# KiCad board UFC_Main.kicad_pcb (continued)
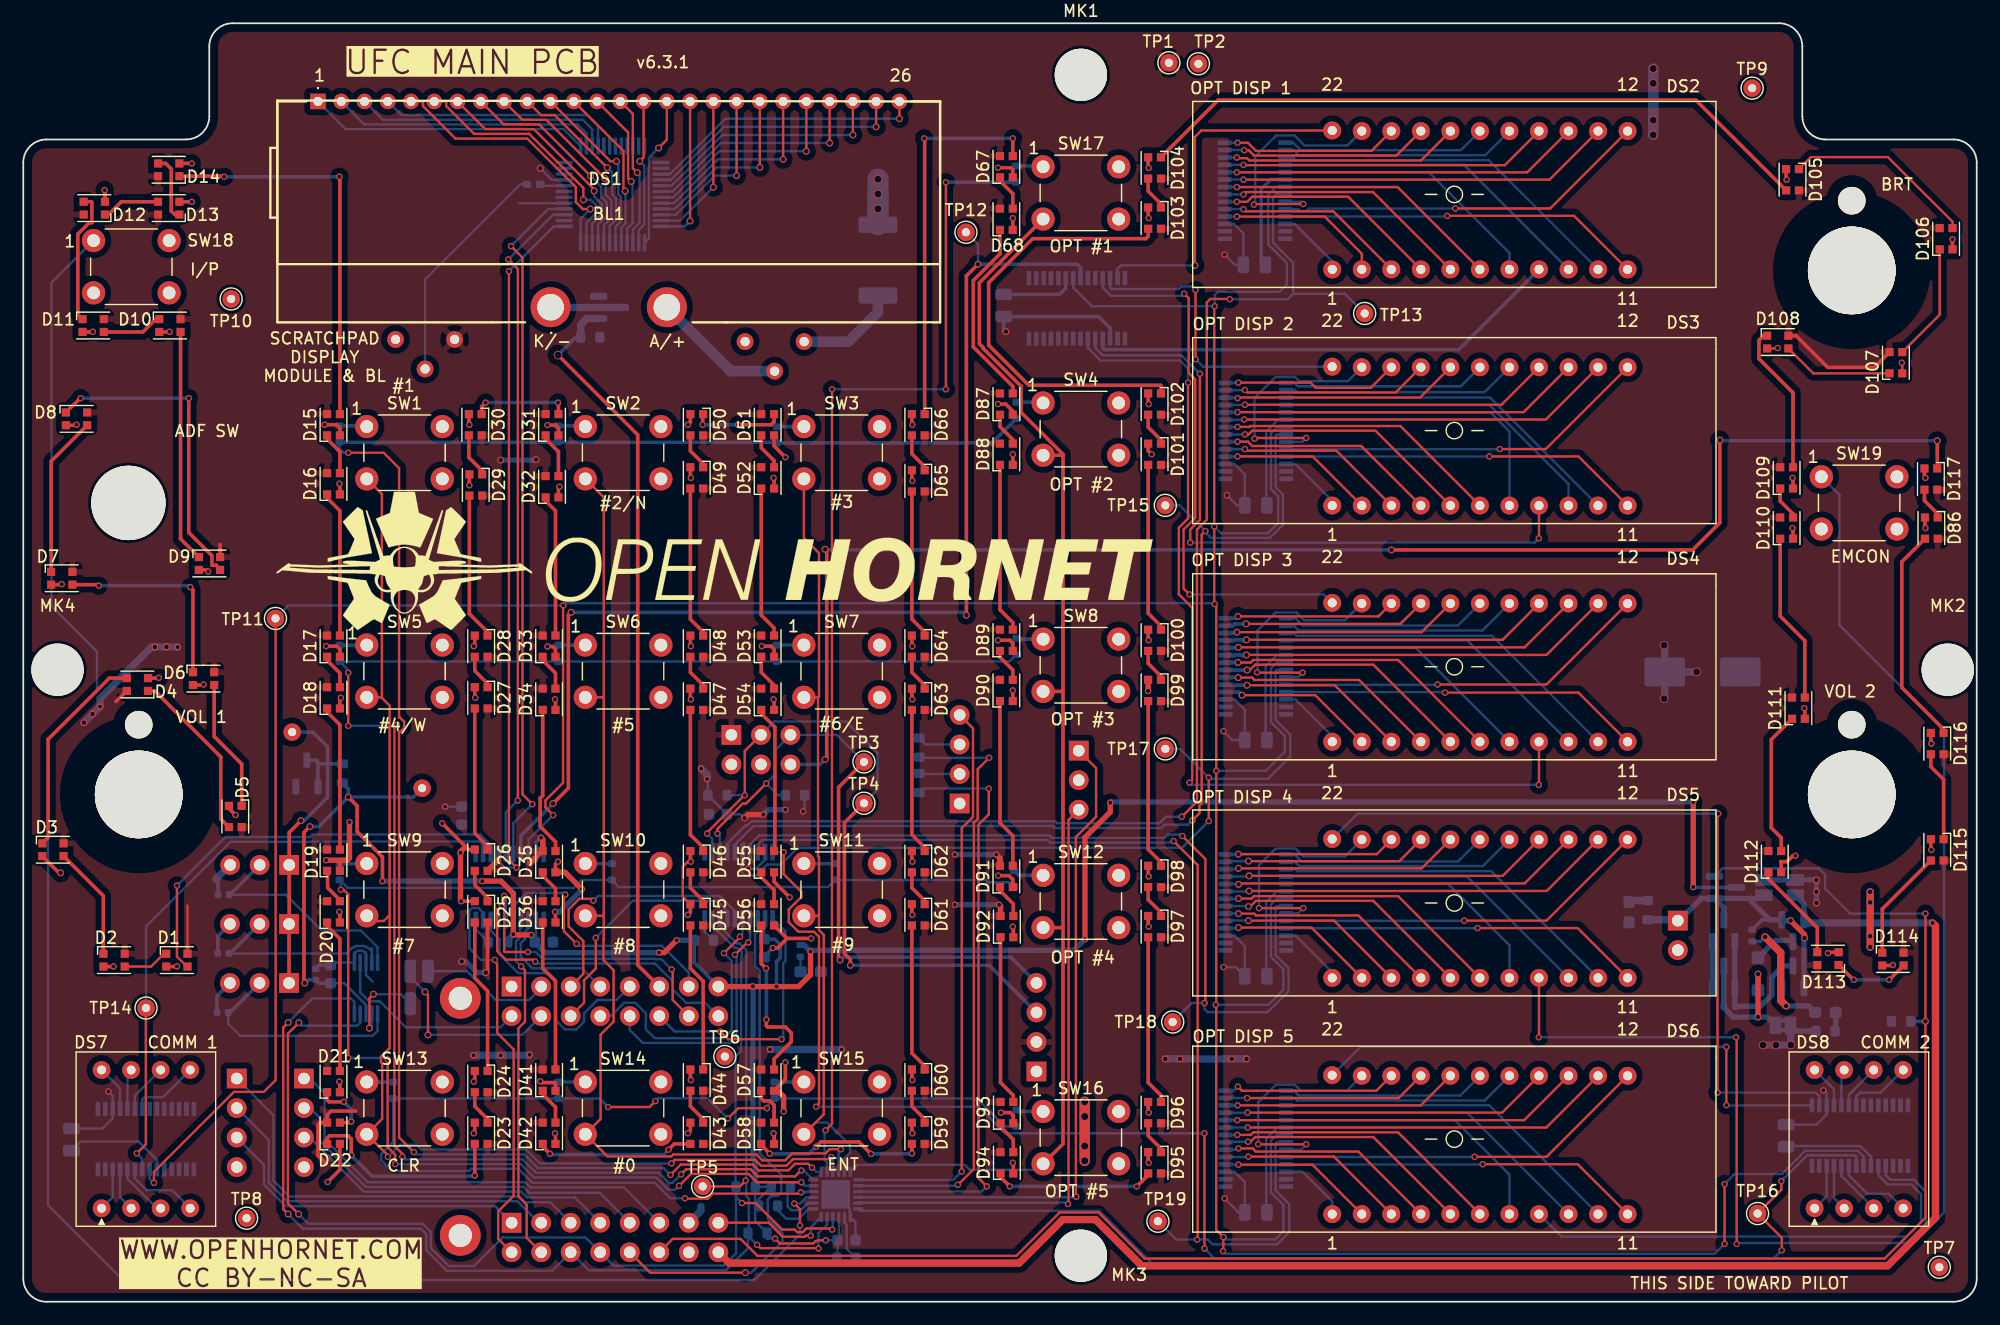
[diagram p0: board, top side]
## Routing (per net, layer and track width the routed paths; a pad name or vN(x,y) marks a point on that pad's centre or on a via; arc(x,y) is an arc through that point) (continued)
  Top w0.203: v2(53.02,98.13) 53.35,98.45 DS1.15
  Bottom w0.203: v2(53.02,98.13) 53.4,97.75 53.4,92.68 52.93,92.21 U1.38
/SEG11: length 13
  Top w0.203: DS1.16 55.35,99.98 v2(54.64,99.27)
  Bottom w0.203: v2(54.64,99.27) 53.81,98.44 53.81,91.48 U1.37
/SEG12: length 13
  Top w0.203: DS1.17 v2(57.35,92.99)
  Bottom w0.203: v2(57.35,92.99) 56.88,92.52 U1.36
/SEG13: length 13.1
  Top w0.203: DS1.18 v2(59.35,95.89)
  Bottom w0.203: v2(59.35,95.89) 56.48,93.02 U1.35
/SEG14: length 14.3
  Top w0.203: DS1.19 v2(61.35,96.89)
  Bottom w0.203: U1.34 56.11,93.52 59.48,96.89 v2(61.35,96.89)
/SEG15: length 15.7
  Top w0.203: DS1.20 v2(63.35,97.59)
  Bottom w0.203: v2(63.35,97.59) 59.61,97.59 56.04,94.02 U1.33
/SEG16: length 17
  Top w0.203: DS1.21 v2(65.35,98.29)
  Bottom w0.203: U1.32 55.97,94.52 59.74,98.29 v2(65.35,98.29)
/SEG17: length 18.4
  Top w0.203: DS1.22 v2(67.35,98.99)
  Bottom w0.203: v2(67.35,98.99) 59.87,98.99 55.9,95.02 U1.31
/SEG18: length 19.8
  Top w0.203: DS1.23 v2(69.35,99.69)
  Bottom w0.203: v2(69.35,99.69) 60,99.69 55.83,95.52 U1.30
/SEG19: length 21.2
  Top w0.203: DS1.24 v2(71.35,100.39)
  Bottom w0.203: U1.29 55.76,96.02 60.12,100.39 v2(71.35,100.39)
/SEG20: length 22.6
  Top w0.203: DS1.25 v2(73.35,101.09)
  Bottom w0.203: v2(73.35,101.09) 60.25,101.09 55.69,96.52 U1.28
/SEG21: length 24
  Top w0.203: DS1.26 v2(75.35,101.79)
  Bottom w0.203: v2(75.35,101.79) 60.38,101.79 55.62,97.02 U1.27
/SW13: length 161.5
  Top w0.203: v1(66.8,6.56) 66.8,7.96 v1(66.3,8.45)
  Bottom w0.203: SW18.1 2.43,87.68 2.43,59.85 6.34,55.94 6.34,52.59 2.13,48.38 2.13,8.31 8.56,1.88 62.88,1.88 66.8,5.8 v1(66.8,6.56) ; U10.3 67.36,8.98 66.83,8.45 v1(66.3,8.45)
/SW19: length 164.8
  Bottom w0.203: SW19.1 156.19,69.42 156.19,58.22 165.19,49.22 165.19,7.69 160.83,3.33 97.04,3.33 92.53,7.83 71.96,7.83 U10.18
ADC_RDY@3.3V: length 17.2
  Bottom w0.203: U13.2 28.98,26.61 29.74,25.85 30.67,25.85 32.9,23.61 41.03,23.61 MC1.9
COM1_CLK: length 54.3
  Top w0.203: TP14.1 10.54,25.25 10.54,13.55 v1(9.76,12.77)
  Bottom w0.203: U6.8 10.23,12.3 v1(9.76,12.77) ; TP14.1 10.56,32.3 17.83,39.58 24.83,39.58 24.85,39.6 39.25,39.6 39.55,39.3 U9.12
COM1_CLK@3.3V: length 34.8
  Top w0.203: v1(40.56,29.41) 40.56,29.26 40.76,29.06 40.76,23.13 42.17,21.71 42.17,9.11 40.85,7.78 40.85,5.41 MC1.25
  Bottom w0.203: v1(40.56,29.41) 39.35,29.41 38.36,30.4 38.36,33.65 38.59,33.87 39.17,33.87 39.55,33.49 U9.9
COM2_CLK: length 136.3
  Top w0.203: v1(151.19,10.38) 151.19,9.63 TP16.1 151.23,5.51 v1(151.23,4.43) 151.19,4.46 ; v1(65.39,38.68) 65.39,36.79 66.91,35.27 66.91,34.83 65.83,33.75 65.83,32.67 66.66,31.84 68,31.84 68.43,31.4 68.43,17.03 v1(68.18,16.78) ; v1(101.58,14.5) v1(101.58,4.59)
  Bottom w0.203: v1(101.58,14.5) 101.57,14.49 84.45,14.49 82.15,16.78 v1(68.18,16.78) ; v1(101.58,4.59) 102.43,3.73 150.53,3.73 v1(151.23,4.43) ; U5.8 157.63,12.49 157.53,12.59 153.41,12.59 152.64,11.82 151.41,10.59 151.4,10.59 v1(151.19,10.38) ; U8.20 65.39,38.68 v1(65.39,38.68)
COM2_CLK@3.3V: length 22.3
  Top w0.203: v1(59.96,23.25) 60.62,22.59 v1(65.21,22.59)
  Bottom w0.203: MC1.14 56.02,23.25 v1(59.96,23.25) ; U8.1 65.55,31.86 65.55,29.31 65.37,29.13 65.37,22.75 v1(65.21,22.59)
CUE_CLK: length 100.3
  Top w0.305: v2(82.11,89.27) 81.11,88.27 v2(81.11,59.07) ; v2(47.11,59.32) 46.88,59.08 46.88,44.18 v2(45.56,42.87)
  Bottom w0.203: TP12.1 82.11,90.98 v2(82.11,89.27)
  Bottom w0.305: v2(47.11,59.32) 80.86,59.32 v2(81.11,59.07) ; v2(82.11,89.27) 90.63,89.27 90.93,88.97 U12.8 ; U9.17 42.8,40.1 v2(45.56,42.87)
CUE_CLK@3.3V: length 30
  Top w0.203: MC1.26 43.29,5.5 43.29,8.35 42.58,9.06 42.58,23.53 43.15,24.1 43.15,28.52 v1(42.82,28.85)
  Bottom w0.203: 42.72,32.75 42.72,31.35 42.38,31.01 42.38,29.29 v1(42.82,28.85)
DIO: length 398.3
  Top w0.203: v1(11.24,10.23) 11.24,11.17 18.12,18.05 20.69,18.05 21.7,19.07 21.7,58.78 TP11.1 ; v1(103.18,4.36) 103.21,4.39 v1(103.21,5.57) 102.59,6.18 v1(102.59,45.68) 102.59,59.9 v1(102.46,60.03) 102.42,60.07 v1(102.42,66.7) 102.42,85.61 v1(102.46,85.65) ; v1(46.44,59.91) 46.42,59.89 46.42,44.65 44.91,43.14 44.91,42.54 v1(45.57,41.87) ; v1(146.31,10.13) v1(146.31,4.98)
  Bottom w0.203: U4.7 107.8,54.99 107.3,54.49 107.3,49.88 108.49,48.69 108.49,47.33 106.84,45.68 v1(102.59,45.68) ; U11.7 107.8,14.35 107.3,13.85 107.3,9.41 108.37,8.34 108.37,6.05 107.68,5.36 103.42,5.36 v1(103.21,5.57) ; v1(102.55,25.55) 107.08,25.55 108.37,26.84 108.37,28.6 107.3,29.66 107.3,34.17 107.8,34.67 U7.7 ; U3.7 107.84,75.25 107.3,74.71 107.3,69.92 107.92,69.3 107.92,67.01 107.04,66.12 102.99,66.12 v1(102.42,66.7) ; v1(102.46,60.03) 102.39,60.1 46.63,60.1 v1(46.44,59.91) 22.81,59.91 TP11.1 ; U9.18 43.45,39.75 v1(45.57,41.87) ; v1(146.31,4.98) 145.47,4.13 103.4,4.13 v1(103.18,4.36) ; 108.54,95.91 107.73,95.91 107.07,95.26 107.07,90.96 108.67,89.37 108.67,87.53 108.03,86.89 102.75,86.89 102.46,86.61 v1(102.46,85.65) 91.9,85.65 90.29,87.26 U12.7 ; v1(11.24,10.23) 11.07,10.4 11.06,10.4 10.86,10.59 U6.7 ; U5.7 158.27,12.49 157.76,13 153.25,13 151.24,10.99 147.18,10.99 v1(146.31,10.13)
DIO@3.3V: length 11.3
  Bottom w0.203: U9.3 43.45,32.13 43.12,31.8 43.12,31.18 42.78,30.85 42.78,29.7 43.45,29.04 43.45,29.03 43.79,28.69 48.04,28.69 MC1.4
ENC1+: length 37.2
  Bottom w0.203: J2.1 21.52,16.05 21.52,10.41 22.86,9.07 42.66,9.07 43.16,8.57 45.31,8.57 MC1.19
ENC1-: length 32.4
  Bottom w0.203: MC1.18 44.35,6.8 42.51,8.65 22.71,8.65 21.11,10.24 21.11,13.91 J2.2
ENC1PB: length 27.7
  Bottom w0.203: J2.3 20.71,11.78 20.71,10.08 22.56,8.23 40.57,8.23 MC1.17
ENC2+: length 37.5
  Bottom w0.203: MC1.22 51.66,9.84 43.62,9.84 43.17,10.28 29.62,10.28 25.91,13.99 25.91,17.94 24.64,19.21
ENC2-: length 32.8
  Bottom w0.203: 24.64,16.67 25.51,15.8 25.51,13.83 29.46,9.88 43.01,9.88 43.51,9.37 49.58,9.37 MC1.21
ENC2PB: length 28
  Bottom w0.203: 24.64,14.12 29.29,9.47 42.82,9.47 43.32,8.97 47.45,8.97 MC1.20
IO_INT: length 10.5
  Top w0.203: MC1.24 64.11,6.8 65.31,5.59 66.39,5.59 66.39,5.58 67.2,5.58 67.3,5.68 v1(67.72,5.68)
  Bottom w0.203: v1(67.72,5.68) 67.72,6.39 U10.24
KB_BL: length 127.5
  Top w0.305: v2(68.95,46.65) 69.1,46.8 69.1,64.6 v2(68.95,64.74) ; v2(145.91,74.14) 145.91,67.02 143.57,64.69 v2(117.66,64.69) ; D117.1 v2(164.6,74.08)
  Bottom w0.305: v2(68.95,46.65) 68.53,46.23 J5.6 ; v2(145.91,74.14) 145.96,74.08 v2(164.6,74.08) ; v2(68.95,64.74) 69.01,64.69 v2(117.66,64.69)
OP1_CLK: length 110.8
  Top w0.203: v1(99.63,41.73) 100.94,43.03 100.94,66.44 101.78,67.29 101.78,85.98 102.09,86.28 103.75,86.28 v1(103.76,86.26)
  Bottom w0.203: v1(103.76,86.26) 103.77,86.26 108.75,86.26 109.21,86.72 ; 108.54,95.28 107.73,95.28 107.48,95.02 107.48,91.12 109.21,89.39 109.21,86.72 ; 109.21,86.72 113.67,86.72 TP13.1 ; U8.14 60.55,39.42 62.12,41 62.28,41 62.62,41.33 88.75,41.33 88.92,41.17 97.7,41.17 98.26,41.73 v1(99.63,41.73)
OP1_CLK@3.3V: length 21.3
  Top w0.203: v1(49.24,31.31) 49.24,28.67 48.23,27.66 48.23,25.73 MC1.11
  Bottom w0.203: v1(49.24,31.31) 52.43,34.51 59.66,34.51 60.55,33.61 U8.7
OP2_CLK: length 87
  Top w0.203: v1(100.54,41.42) 101.15,42.03 101.15,42.68 101.34,42.87 101.34,65.99 v1(101.66,66.31)
  Bottom w0.203: v1(100.54,41.42) 100.17,41.05 98.15,41.05 97.87,40.76 88.75,40.76 88.58,40.93 62.79,40.93 61.2,39.34 U8.15 ; TP15.1 99.45,68.52 v1(101.66,66.31) 101.66,66.18 102.12,65.72 107.2,65.72 108.33,66.84 108.33,69.47 107.7,70.09 107.7,74.52 107.8,74.62 U3.8
OP2_CLK@3.3V: length 23.7
  Top w0.203: MC1.3 48.16,28.2 48.16,31.03 46.9,32.3 46.9,33.75 47.81,34.66 48.88,34.66 v1(49.03,34.51)
  Bottom w0.203: U8.6 61.2,33.61 59.9,34.91 49.43,34.91 v1(49.03,34.51)
OP3_CLK: length 70.9
  Top w0.203: v1(101.95,41.36) v1(101.95,45.1)
  Bottom w0.203: U4.8 107.8,54.36 107.7,54.26 107.7,50.05 108.96,48.79 108.96,46.91 107.04,44.99 102.06,44.99 v1(101.95,45.1) 99.49,47.57 TP17.1 ; U8.16 61.85,39.34 62,39.49 62,37.73 61.77,37.49 61.77,37.02 62.1,36.68 63.02,36.68 63.97,37.63 65.16,37.63 66.59,39.06 99.66,39.06 v1(101.95,41.36)
OP3_CLK@3.3V: length 24.7
  Top w0.203: v1(61.63,31.41) 61.63,31.36 v1(60.26,29.99)
  Bottom w0.203: U8.5 61.85,31.63 v1(61.63,31.41) ; v1(60.26,29.99) 60.93,29.32 60.93,23.36 60.24,22.67 54.32,22.67 53.55,23.45 53.55,24.82 52.63,25.73 51.68,25.73 50.53,24.58 MC1.12
OP4_CLK: length 74.3
  Top w0.203: v1(99.69,40.07) 101.66,38.1 101.66,25.77 v1(101.59,25.7)
  Bottom w0.203: v1(99.69,40.07) 99.54,40.21 98.45,40.21 98.15,39.91 88.47,39.91 88.25,40.13 63.37,40.13 63.35,40.11 63.27,40.11 62.5,39.34 U8.17 ; TP18.1 100.48,25.7 v1(101.59,25.7) 101.59,25.19 101.86,24.91 107.01,24.91 108.81,26.71 108.81,28.72 107.7,29.83 107.7,33.94 107.8,34.04 U7.8
OP4_CLK@3.3V: length 21.8
  Top w0.203: v1(61.21,29.86) 62.26,30.91 v1(62.35,30.91)
  Bottom w0.203: v1(61.21,29.86) 61.33,29.73 61.33,22.84 60.76,22.27 53.26,22.27 52.16,23.38 MC1.13 ; v1(62.35,30.91) 62.5,31.06 U8.4
OP5_CLK: length 93.5
  Top w0.203: v1(98.93,39.64) 101,37.56 101,5.4 v1(100.95,5.35)
  Bottom w0.203: v1(98.93,39.64) 98.8,39.5 88.3,39.5 88.08,39.72 63.53,39.72 63.15,39.34 U8.18 ; U11.8 107.8,13.72 107.7,13.62 107.7,9.57 108.87,8.4 108.87,5.99 107.83,4.94 102.28,4.94 101.87,5.35 v1(100.95,5.35) 99.15,5.35 TP19.1
OP5_CLK@3.3V: length 45.1
  Top w0.203: v2(62.1,2.5) 53.92,2.5 MC1.29
  Bottom w0.203: v2(62.1,2.5) 62.61,2.5 65.29,5.18 65.29,5.9 64.04,7.15 64.04,8.81 64.35,9.12 64.88,9.12 65.19,9.43 65.19,10.93 63.33,12.79 63.33,28.48 62.93,28.88 62.93,31.62 63.15,31.84 U8.3
PNL_BL: length 37.2
  Top w0.203: 14.07,28.84 13.22,29.7 v1(13.22,35.81)
  Bottom w0.203: v1(13.22,35.81) 17.39,39.98 24.66,39.98 24.89,40.2 39.29,40.2 40.2,39.3 U9.13
PNL_BL@3.3V: length 21.1
  Bottom w0.203: U9.8 40.2,31.93 40.96,31.17 40.96,29.9 42.58,28.27 45.23,28.27 45.78,27.72 45.78,24.25 46.6,23.43 47.55,23.43 48.23,24.1 48.23,24.82 49.38,25.97 51.01,25.97 MC1.5
SCL: length 58.2
  Top w0.203: v1(59.7,40.28) 59.7,40.69 61.87,42.86 62.16,42.86 v1(63.89,44.6)
  Top w0.305: v2(70.25,29.4) 70.12,29.53 70.12,44.26 TP3.1
  Bottom w0.203: R11.2 64.91,43.58 v1(63.89,44.6) 64.65,45.36 64.65,47.45 J5.5 69.97,48.77 TP3.1 ; v1(59.7,40.28) 59.9,40.08 U8.13
  Bottom w0.305: J13.4 84.92,29.65 70.5,29.65 v2(70.25,29.4)
SCL@3.3V: length 111.7
  Top w0.203: v1(62.12,10.43) 61.62,9.92 TP5.1 ; v2(22.78,24.02) 22.36,23.6 22.36,7.97 v2(22.78,7.55) ; v1(68.39,4.58) 68.37,4.61 63.39,4.61 v1(63.11,4.89)
  Bottom w0.203: U10.23 69.12,6.63 68.39,5.9 v1(68.39,4.58) ; R10.1 62.32,4.6 60.42,2.7 48.63,2.7 MC1.27 45.49,2.67 36.42,2.67 34.65,4.44 34.65,5.82 34.18,6.29 24.04,6.29 v2(22.78,7.55) ; 62.39,5.98 62.39,8.89 62.17,9.11 62.17,29.44 62.19,29.45 62.19,30.26 61.61,30.84 61.37,30.84 60.05,32.16 60.05,32.85 ; 62.32,5.68 v1(63.11,4.89) ; v2(22.78,24.02) 24.85,26.09 28.17,26.09 28.48,25.79 U13.10
SCR_BL@3.3V: length 63.4
  Top w0.305: MC1.6 52.84,28.97 52.84,74.59 v3(45.98,81.45)
  Bottom w0.305: v3(45.98,81.45) 47.51,82.98 R3.2
  Bottom w0.635: R3.2 47.94,84.06 48.48,84.6 Q2.1
SCRCS: length 60.4
  Top w0.203: v1(41.77,88.66) 41.77,38.02 v1(42.43,37.36)
  Bottom w0.203: v1(42.43,37.36) 41.4,37.36 40.85,37.9 U9.14 ; U1.1 45.63,92.52 v1(41.77,88.66)
SCRCS@3.3V: length 26.9
  Top w0.203: v1(40.76,34.05) 40.76,30.18 41.5,29.44 43.86,29.44 v1(44.03,29.27)
  Bottom w0.203: v1(40.76,34.05) 40.85,33.96 U9.7 ; MC1.16 58.63,25.73 57,25.73 55.85,26.88 55.85,27.6 54.38,29.06 54.27,29.06 54.23,29.1 44.2,29.1 v1(44.03,29.27)
SCRDATA: length 59.6
  Top w0.203: v1(43.78,42.81) 42.94,43.66 42.94,89.83 v1(41.95,90.82)
  Bottom w0.203: v1(41.95,90.82) 45.14,94.02 U1.4 ; v1(43.78,42.81) 42.15,41.19 U9.16
SCRDATA@3.3V: length 22.8
  Top w0.203: v1(47.59,30.8) 46.5,31.89 46.5,34.92 v1(46.61,35.03)
  Bottom w0.203: U9.5 42.15,34.03 43.28,35.16 46.48,35.16 v1(46.61,35.03) ; v1(47.59,30.8) 47.76,30.62 54.94,30.62 57.24,28.32 MC1.7
SCRWR: length 58.3
  Top w0.203: v1(42.53,43.13) 42.53,43.14 42.53,88.86 v1(41.72,89.68)
  Bottom w0.203: U1.3 45.56,93.52 v1(41.72,89.68) ; U9.15 41.5,42.1 v1(42.53,43.13)
SCRWR@3.3V: length 26.6
  Top w0.203: v1(55.76,28.59) 55.85,28.51 55.85,25.97 MC1.15 ; v1(43.39,30.09) 41.41,30.09 41.36,30.14 v1(41.36,34.92)
  Bottom w0.203: v1(43.39,30.09) 44.07,30.09 44.66,29.5 54.39,29.5 54.43,29.47 54.89,29.47 v1(55.76,28.59) ; U9.6 41.5,34.78 v1(41.36,34.92)
SDA: length 62.7
  Top w0.203: v1(58.81,40.28) 58.81,40.37 62.02,43.58 v1(62.05,43.58) 62.05,47.38 J5.3
  Top w0.305: v2(71.13,28.95) 71.13,29.46 70.62,29.96 70.62,41.22 TP4.1
  Bottom w0.203: TP4.1 73.47,44.06 73.47,47.21 70.76,49.92 64.59,49.92 J5.3 ; U8.12 59.25,39.84 v1(58.81,40.28) ; R12.1 v1(62.05,43.58)
  Bottom w0.305: J13.3 83.08,28.95 v2(71.13,28.95)
SDA@3.3V: length 109.1
  Top w0.203: v2(23.68,7.54) 22.76,8.46 22.76,23.07 v2(23.7,24.01) ; v1(69.57,6.21) 69.47,6.31 67.36,6.31 67.04,5.99 66.56,5.99 66.34,6.21 65.27,6.21 62.98,8.49 v1(61.81,8.49)
  Bottom w0.203: TP6.1 61.25,21.1 ; 61.25,21.1 61.25,9.94 ; 61.25,21.1 61.73,21.58 61.73,29.57 61.78,29.62 61.78,30.1 61.45,30.43 61.2,30.43 59.76,31.87 59.68,31.87 59.25,32.3 U8.9 ; U10.22 69.62,6.26 v1(69.57,6.21) ; v1(61.81,8.49) 61.3,9 R9.2 61.3,4.15 60.25,3.11 50.77,3.11 MC1.28 48.33,5.54 41.23,5.54 38.76,3.07 36.59,3.07 35.05,4.61 35.05,6.01 34.35,6.71 24.51,6.71 v2(23.68,7.54) ; v2(23.7,24.01) 23.96,23.75 28.71,23.75 28.98,24.02 U13.9
Net-(BL1-A): length 11.6
  Bottom w0.914: BL1.2 60.81,80.11 60.81,80.07 RV1.2
Net-(BL1-K): length 6
  Bottom w0.635: Q2.3 45.37,85.55
Net-(D1-DOUT): length 3.8
  Top w0.203: 12.09,29.94 10.99,28.84 D2.3
Net-(D2-DOUT): length 9.8
  Top w0.305: D2.1 6.89,29.95 6.89,34.92 D3.3
Net-(D3-DOUT): length 18.1
  Top w0.305: D3.1 2.14,39.94 2.14,48.39 7.4,53.66 D4.3
Net-(D4-DOUT): length 14.9
  Top w0.305: D5.3 16.98,41.54 16.98,46.88 12.57,51.28 12.57,51.3 11.32,52.56 D4.1
Net-(D5-DOUT): length 11.4
  Top w0.305: D6.3 16.42,48.63 18.79,46.27 D5.1
Net-(D6-DOUT): length 17.6
  Top w0.305: v1(6.49,61.61) 6.4,61.7 D7.3 ; v1(14.36,61.49) 14.59,61.26 D6.1
  Bottom w0.305: v1(14.36,61.49) 14.23,61.61 v1(6.49,61.61)
Net-(D7-DOUT): length 13.9
  Top w0.305: D8.3 2.4,72.31 D7.1
Net-(D10-DIN): length 20
  Top w0.305: D9.1 13.53,65.64 D10.3
Net-(D10-DOUT): length 5.2
  Top w0.305: D11.3 10.29,83.44 11.39,84.54 D10.1
Net-(D11-DOUT): length 11.6
  Top w0.305: D12.3 5.85,94.64 5.9,94.59 5.9,92.84 5.67,92.84 4.69,91.86 4.69,84.94 D11.1
Net-(D12-DOUT): length 5
  Top w0.305: D12.1 7.33,93.54 8.43,94.64 D13.3
Net-(D13-DOUT): length 5.8
  Top w0.305: D14.3 12.25,97.94 12.72,97.47 12.72,93.86 13.04,93.54 D13.1
Net-(D14-DOUT): length 34.2
  Top w0.305: v1(27.19,96.79) 27.23,96.75 D15.3 ; v1(17.28,96.79) 17.23,96.84 D14.1
  Bottom w0.305: v1(27.19,96.79) v1(17.28,96.79)
Net-(D15-DOUT): length 3.7
  Top w0.305: D15.1 26.13,74.24 27.23,73.14 D16.3
Net-(D17-DOUT): length 3.1
  Top w0.305: D17.1 26.13,55.19 27.23,54.09 D18.3
Net-(D18-DOUT): length 12.6
  Top w0.305: D19.3 27.23,49.64 26.13,50.74 D18.1
Net-(D19-DOUT): length 3
  Top w0.305: 27.23,34.56 26.17,35.62 26.17,37.03 D19.1
Net-(D20-DOUT): length 13.2
  Top w0.305: D21.3 27.23,31.23 26.13,32.33 D20.1
Net-(D21-DOUT): length 5.1
  Top w0.305: D21.1 26.13,17.37 26.3,17.2 v1(27.57,17.2) ; v1(28.2,15.51) 28.1,15.41 D22.3
  Bottom w0.305: v1(27.57,17.2) 28.2,16.57 v1(28.2,15.51)
Net-(D22-DOUT): length 18.3
  Top w0.305: v1(38.82,10.86) 38.83,10.87 38.83,13.58 ; v1(28.2,12.59) 28.2,14.01 27.93,14.28 26.34,14.28 26.13,14.07 26.13,13.58
  Bottom w0.305: v1(38.82,10.86) 38.76,10.8 30,10.8 v1(28.2,12.59)
Net-(D23-DOUT): length 3.1
  Top w0.305: D24.3 38.83,16.82 39.93,15.72 D23.1
Net-(D25-DOUT): length 3.1
  Top w0.305: D25.1 39.93,34.77 38.83,35.87 D26.3
Net-(D26-DOUT): length 12.6
  Top w0.305: D27.3 38.83,40.31 39.93,39.21 D26.1
Net-(D27-DOUT): length 3.1
  Top w0.305: D27.1 39.93,53.18 38.83,54.28 D28.3
Net-(D28-DOUT): length 12.7
  Top w0.305: D28.1 39.93,57.63 38.36,59.19 D29.3
Net-(D29-DOUT): length 3.8
  Top w0.305: D30.3 38.32,72.64 39.46,71.5 D29.1
Net-(D30-DOUT): length 8.4
  Top w0.305: v1(45.98,77.36) 46.03,77.32 D31.3 ; v1(39.76,77.36) 39.42,77.02 D30.1
  Bottom w0.305: v1(39.76,77.36) 39.77,77.37 45.98,77.37 v1(45.98,77.36)
Net-(D31-DOUT): length 4
  Top w0.305: D31.1 44.93,74.24 46.03,73.14 46.03,71.04
Net-(D33-DOUT): length 3.2
  Top w0.305: D33.1 44.67,55.19 45.77,54.09 D34.3
Net-(D34-DOUT): length 12.8
  Top w0.305: D34.1 44.67,43.54 44.45,43.32 44.45,40.89 45.77,39.57 D35.3
Net-(D35-DOUT): length 2.9
  Top w0.305: 44.67,36.95 44.67,36.64 45.77,35.54 D36.3
Net-(D36-DOUT): length 13.1
  Top w0.305: D36.1 44.67,28.68 45.77,27.58 45.77,19.98
Net-(D37-A): length 1.9
  Bottom w0.457: 155.87,25.19 155.87,23.34
Net-(D38-A): length 1.3
  Bottom w0.203: D38.2 66.85,29.66
Net-(D39-A): length 3.7
  Bottom w0.457: Q4.3 152.09,31.09 150.69,31.09 D39.2
Net-(D39-K): length 13.7
  Top w0.457: v2(149.19,28.19) v2(149.19,24.49)
  Bottom w0.457: JP1.1 149.99,24.49 v2(149.19,24.49) 147.07,24.49 146.23,25.33 R14.1 ; D39.1 v2(149.19,28.19) ; Q7.3 146.24,25.44
Net-(D40-A): length 1.5
  Bottom w0.635: R13.2 138.22,34.52
Net-(D41-DOUT): length 3.2
  Top w0.305: D42.3 45.77,16.75 44.67,17.85 D41.1
Net-(D42-DOUT): length 13.6
  Top w0.305: 44.67,13.58 44.67,13.35 v1(45.29,12.74) ; 57.37,13.58 55.99,13.58 v1(55.49,13.08)
  Bottom w0.305: v1(45.29,12.74) 45.36,12.66 55.07,12.66 v1(55.49,13.08)
Net-(D43-DOUT): length 3.2
  Top w0.305: D43.1 58.47,15.72 57.37,16.82 D44.3
Net-(D45-DOUT): length 3.2
  Top w0.305: D45.1 58.47,34.51 57.37,35.61 57.37,36.95
Net-(D46-DOUT): length 12.6
  Top w0.305: D46.1 58.47,39.08 57.37,40.18 D47.3
Net-(D47-DOUT): length 3.2
  Top w0.305: D48.3 57.37,54.15 58.47,53.05 D47.1
Net-(D48-DOUT): length 13.1
  Top w0.305: D49.3 57.37,58.73 58.47,57.63 D48.1
Net-(D49-DOUT): length 3.2
  Top w0.305: 58.47,71.8 58.47,72.1 57.37,73.2 D50.3
Net-(D50-DOUT): length 7.8
  Top w0.305: v1(61.48,75.46) 64.31,75.46 64.57,75.72 D51.3 ; v1(58.43,75.46) 58.43,76.33
  Bottom w0.305: v1(61.48,75.46) v1(58.43,75.46)
Net-(D51-DOUT): length 3.2
  Top w0.305: D51.1 63.47,73.47 64.57,72.37 64.57,71.8
Net-(D53-DOUT): length 3.2
  Top w0.305: D53.1 63.47,54.15 64.57,53.05 D54.3
Net-(D54-DOUT): length 12.6
  Top w0.305: D54.1 63.47,50.61 64.64,49.43 64.64,38.85
Net-(D55-DOUT): length 3.2
  Top w0.305: 63.47,36.95 63.47,36.53 64.57,35.43 D56.3
Net-(D56-DOUT): length 15
  Top w0.305: D56.1 63.47,29.09 v1(63.88,28.69) ; v1(63.91,24.27) 63.91,23.75 64.02,23.64 65.54,23.64 66.05,23.13 66.05,22.37 64.57,20.89 64.57,19.98
  Bottom w0.305: v1(63.91,24.27) 63.91,28.66 v1(63.88,28.69)
Net-(D57-DOUT): length 3.5
  Top w0.305: D57.1 63.47,17.5 63.68,17.28 64.22,17.28 64.58,16.92 64.58,16.4 64.57,16.38 D58.3
Net-(D58-DOUT): length 15
  Top w0.305: v1(72.91,12.72) 71.88,13.75 68.59,13.75 v1(68.18,13.34) ; 76.42,13.58 v1(76.42,12.76) ; 63.47,13.47 v1(64.2,12.75)
  Bottom w0.305: v1(64.2,12.75) 64.23,12.72 67.56,12.72 v1(68.18,13.34) ; v1(72.91,12.72) 76.38,12.72 v1(76.42,12.76)
Net-(D59-DOUT): length 3.2
  Top w0.305: D59.1 77.52,15.72 76.42,16.82 D60.3
Net-(D61-DOUT): length 3.2
  Top w0.305: D61.1 77.52,34.51 76.42,35.61 76.42,36.95
Net-(D62-DOUT): length 12.6
  Top w0.305: D63.3 76.42,40.18 77.52,39.08 D62.1
Net-(D63-DOUT): length 3.2
  Top w0.305: D64.3 76.42,54.15 77.52,53.05 D63.1
Net-(D64-DOUT): length 12.8
  Top w0.305: D65.3 76.42,58.73 77.52,57.63 D64.1
Net-(D65-DOUT): length 3.5
  Top w0.305: D66.3 76.42,72.95 77.52,71.85 D65.1
Net-(D66-DOUT): length 32.9
  Top w0.305: D66.1 77.52,100.05 v1(77.48,100.09) ; v1(85.1,100.09) D67.3
  Bottom w0.305: v1(77.48,100.09) v1(85.1,100.09)
Net-(D67-DOUT): length 3.1
  Top w0.305: D68.3 85.1,95.34 84,96.44 D67.1
Net-(D69-K): length 2.3
  Bottom w0.305: D69.1 87.64,97.72
Net-(D70-K): length 2.3
  Bottom w0.305: D70.1 29.47,75.37
Net-(D71-K): length 2.3
  Bottom w0.305: D71.1 48.27,75.37
Net-(D72-K): length 2.3
  Bottom w0.305: D72.1 67.12,75.29
Net-(D73-K): length 2.2
  Bottom w0.305: D73.1 87.65,77.39
Net-(D74-K): length 2.3
  Bottom w0.305: D74.1 29.53,56.49
Net-(D75-K): length 2.3
  Bottom w0.305: D75.1 48.32,56.49
Net-(D76-K): length 2.3
  Bottom w0.305: SW7.1 64.82,56.5
Net-(D77-K): length 2.2
  Bottom w0.305: SW8.1 85.49,57.01
Net-(D78-K): length 2.3
  Bottom w0.305: D78.1 29.52,37.69
Net-(D79-K): length 2.3
  Bottom w0.305: D79.1 48.35,37.69
Net-(D80-K): length 2.7
  Bottom w0.305: D80.1 67.15,37.69
Net-(D81-K): length 2.7
  Bottom w0.305: D81.1 85.61,36.69 SW12.1
Net-(D82-K): length 2.3
  Bottom w0.305: D82.1 29.56,18.89
Net-(D83-K): length 2.3
  Bottom w0.305: SW14.1 46.03,18.91
Net-(D84-K): length 2.5
  Bottom w0.305: SW15.1 64.63,18.91
Net-(D85-K): length 2.2
  Bottom w0.305: SW16.1 85.53,16.37
Net-(D87-DOUT): length 2.9
  Top w0.305: D88.3 85.1,74.19 84,75.29 84,76.32
Net-(D88-DOUT): length 14.6
  Top w0.305: D89.3 85.1,58.44 84,59.54 D88.1
Net-(D89-DOUT): length 2.9
  Top w0.305: D89.1 84,55.46 85.1,54.36 D90.3
Net-(D90-DOUT): length 14.6
  Top w0.305: 84,51.68 84,41.2 85.1,40.1 D91.3
Net-(D91-DOUT): length 3
  Top w0.305: D92.3 85.14,34.23 84,35.37 D91.1
Net-(D92-DOUT): length 14.6
  Top w0.305: 84.04,31.36 84.04,18.86 85.14,17.76 D93.3
Net-(D94-DOUT): length 13.7
  Top w0.305: v1(84.85,9.92) 84.04,10.73 D94.1 ; 96.74,10.9 v1(95.77,9.92)
  Bottom w0.305: v1(95.77,9.92) v1(84.85,9.92)
Net-(D95-DOUT): length 2.9
  Top w0.305: 97.84,12.87 97.84,13.18 96.74,14.28 D96.3
Net-(D96-DOUT): length 14.6
  Top w0.305: D96.1 97.84,17.76 96.74,18.86 96.74,31.36
Net-(D97-DOUT): length 2.9
  Top w0.305: D97.1 97.84,33.5 96.74,34.6 D98.3
Net-(D98-DOUT): length 14.6
  Top w0.305: D98.1 97.84,37.81 96.74,38.91 96.74,51.68
Net-(D100-DIN): length 2.9
  Top w0.305: D99.1 97.84,53.82 96.74,54.92 D100.3
Net-(D100-DOUT): length 14.6
  Top w0.305: D101.3 96.74,59.23 97.84,58.13 D100.1
Net-(D102-DOUT): length 38.3
  Top w0.305: D102.1 97.84,78.8 97.79,78.85 86.48,78.85 83.03,82.3 83.03,87.68 86.81,91.47 96.54,91.47 96.74,91.67 D103.3
Net-(D103-DOUT): length 2.9
  Top w0.305: D103.1 97.84,94.46 96.74,95.56 D104.3
Net-(D104-DOUT): length 59
  Top w0.305: D105.3 143.83,103.4 102.77,103.4 97.84,98.47
Net-(D105-DOUT): length 16.5
  Top w0.203: 165.91,92.37 165.91,92.93 160.36,98.48 153.74,98.48 D105.1
Net-(D106-DOUT): length 10.2
  Top w0.203: D107.3 164.81,84.92 D106.1
Net-(D107-DOUT): length 9.6
  Top w0.203: 160.5,79.88 153.94,79.88 D108.3
Net-(D108-DOUT): length 13
  Top w0.305: D108.1 149.67,83.12 149.27,82.72 149.27,81.14 152.2,78.21 152.2,71.8
Net-(D110-DOUT): length 14.5
  Top w0.305: D110.1 151.1,58.99 153.21,56.87 D111.3
Net-(D111-DOUT): length 12.5
  Top w0.305: D111.1 150.33,48.37 150.33,40.78 151.18,39.93 D112.3
Net-(D112-DOUT): length 8.6
  Top w0.305: 150.08,36.95 150.08,36.38 154.29,32.18 D113.3
Net-(D113-DOUT): length 6.6
  Top w0.305: D113.1 157.39,27.7 v1(157.43,27.7) ; v1(160.47,27.7) 160.48,27.7 D114.3
  Bottom w0.305: v1(157.43,27.7) v1(160.47,27.7)
Net-(D114-DOUT): length 9.7
  Top w0.305: D114.1 159.88,33.79 D115.3
Net-(D115-DOUT): length 7.8
  Top w0.305: D115.1 165.15,44.93 164.05,46.03 D116.3
Net-(D116-DOUT): length 19
  Top w0.305: D116.1 165.15,49.25 161.55,52.85 161.55,63.66 D86.3
Net-(D117-DIN): length 2.9
  Top w0.305: D86.1 164.64,67.79 163.5,68.93 D117.3
Net-(J10-Pin_1): length 11.3
  Bottom w0.203: MC1.2 44.54,26.99 43.51,25.97 40.63,25.97 38.16,28.44 J10.1
Net-(J11-Pin_1): length 16.5
  Top w0.203: v2(34.81,22.96) 34.81,26.41 v2(34.55,26.66)
  Bottom w0.203: MC1.10 42.92,22.96 v2(34.81,22.96) ; v2(34.55,26.66) 33.28,27.93 J11.1
Net-(J12-Pin_1): length 7.9
  Top w0.203: v2(29.77,23.53) 29.77,26.12 v2(30.11,26.46)
  Bottom w0.203: v2(30.11,26.46) 32.47,26.46 J12.1 ; U13.7 29.98,23.74 v2(29.77,23.53)
Net-(Q6-G): length 13.3
  Bottom w0.457: Q8.3 151.34,28.89 150.38,27.93 150.38,26.41 149.4,25.43 R14.2 147.19,25.49 Q7.1 Q6.1 ; 152.19,28.51 152.19,28.95
Net-(Q6-S): length 4
  Bottom w0.457: Q6.2 Q7.2
Net-(R1-Pad1): length 8.8
  Bottom w0.914: R1.1 73.51,85.15 70.97,82.61 RV1.1
Net-(R2-Pad1): length 19.9
  Bottom w0.203: R2.1 42.73,96.14 34.55,87.96 RV2.2
Net-(U1-VLCD): length 2.1
  Bottom w0.203: R2.2 44.58,96.02 U1.8
Net-(U8-OE): length 2.2
  Bottom w0.203: U8.10 58.6,31.85 R40.1
Net-(U9-OE): length 2.4
  Bottom w0.203: U9.10 38.9,32.05 R41.1
Net-(U10-COL5): length 52.4
  Top w0.203: v1(83.07,46.81) 82.08,45.82 82.08,41.55 81.75,41.22 81.75,11.44 v1(80.38,10.06)
  Bottom w0.203: 77.11,46.79 83.06,46.79 v1(83.07,46.81) ; v1(80.38,10.06) 80.3,9.98 U10.14
Net-(U10-COL6): length 52.3
  Top w0.203: v1(82.87,9.92) 82.15,10.64 82.15,41.05 83.04,41.93 v1(83.04,44.14)
  Bottom w0.203: v1(82.87,9.92) 82.42,9.48 U10.15 ; v1(83.04,44.14) 82.84,44.14 82.81,44.16 77.4,44.16 R44.1
Net-(U10-RESET): length 4
  Bottom w0.203: U10.20 70.62,6.82 70.81,6.63 70.81,4.57 R4.2
Net-(U10-ROW6): length 4.4
  Bottom w0.203: R8.1 65.73,9.65 65.73,8.21 66.07,7.88 66.85,7.88 67.46,8.48 U10.2
Net-(U10-ROW7): length 4.1
  Bottom w0.203: U10.1 67.53,7.98 66.68,7.13 65.63,7.13 64.88,7.89 R7.1

## Copper pours and planes (outline as drawn; the poured copper is in the pictures)
+5V on Top: 168.03,110 168.09,-0.04 0.01,-0.04 0.01,110
GND on Bottom: 168.03,110 168.09,-0.04 0.01,-0.04 0.01,110

## Text on the board
